# Altium PCB SupBigBrrg_0.PcbDoc (part 26 of 29)
Units mm, origin at the board's own origin, x right, y up, seen from the top; angles counter-clockwise.
Board outline 400 x 344 mm, 6 copper layers (TopLayer, PlaneGnd, PlanePwr, MidLayer3, MidLayer4, BottomLayer); 1288 components, 1323 nets, 5024 pads, 1078 vias.
Unrouted connection lines stored in the file: 1824.
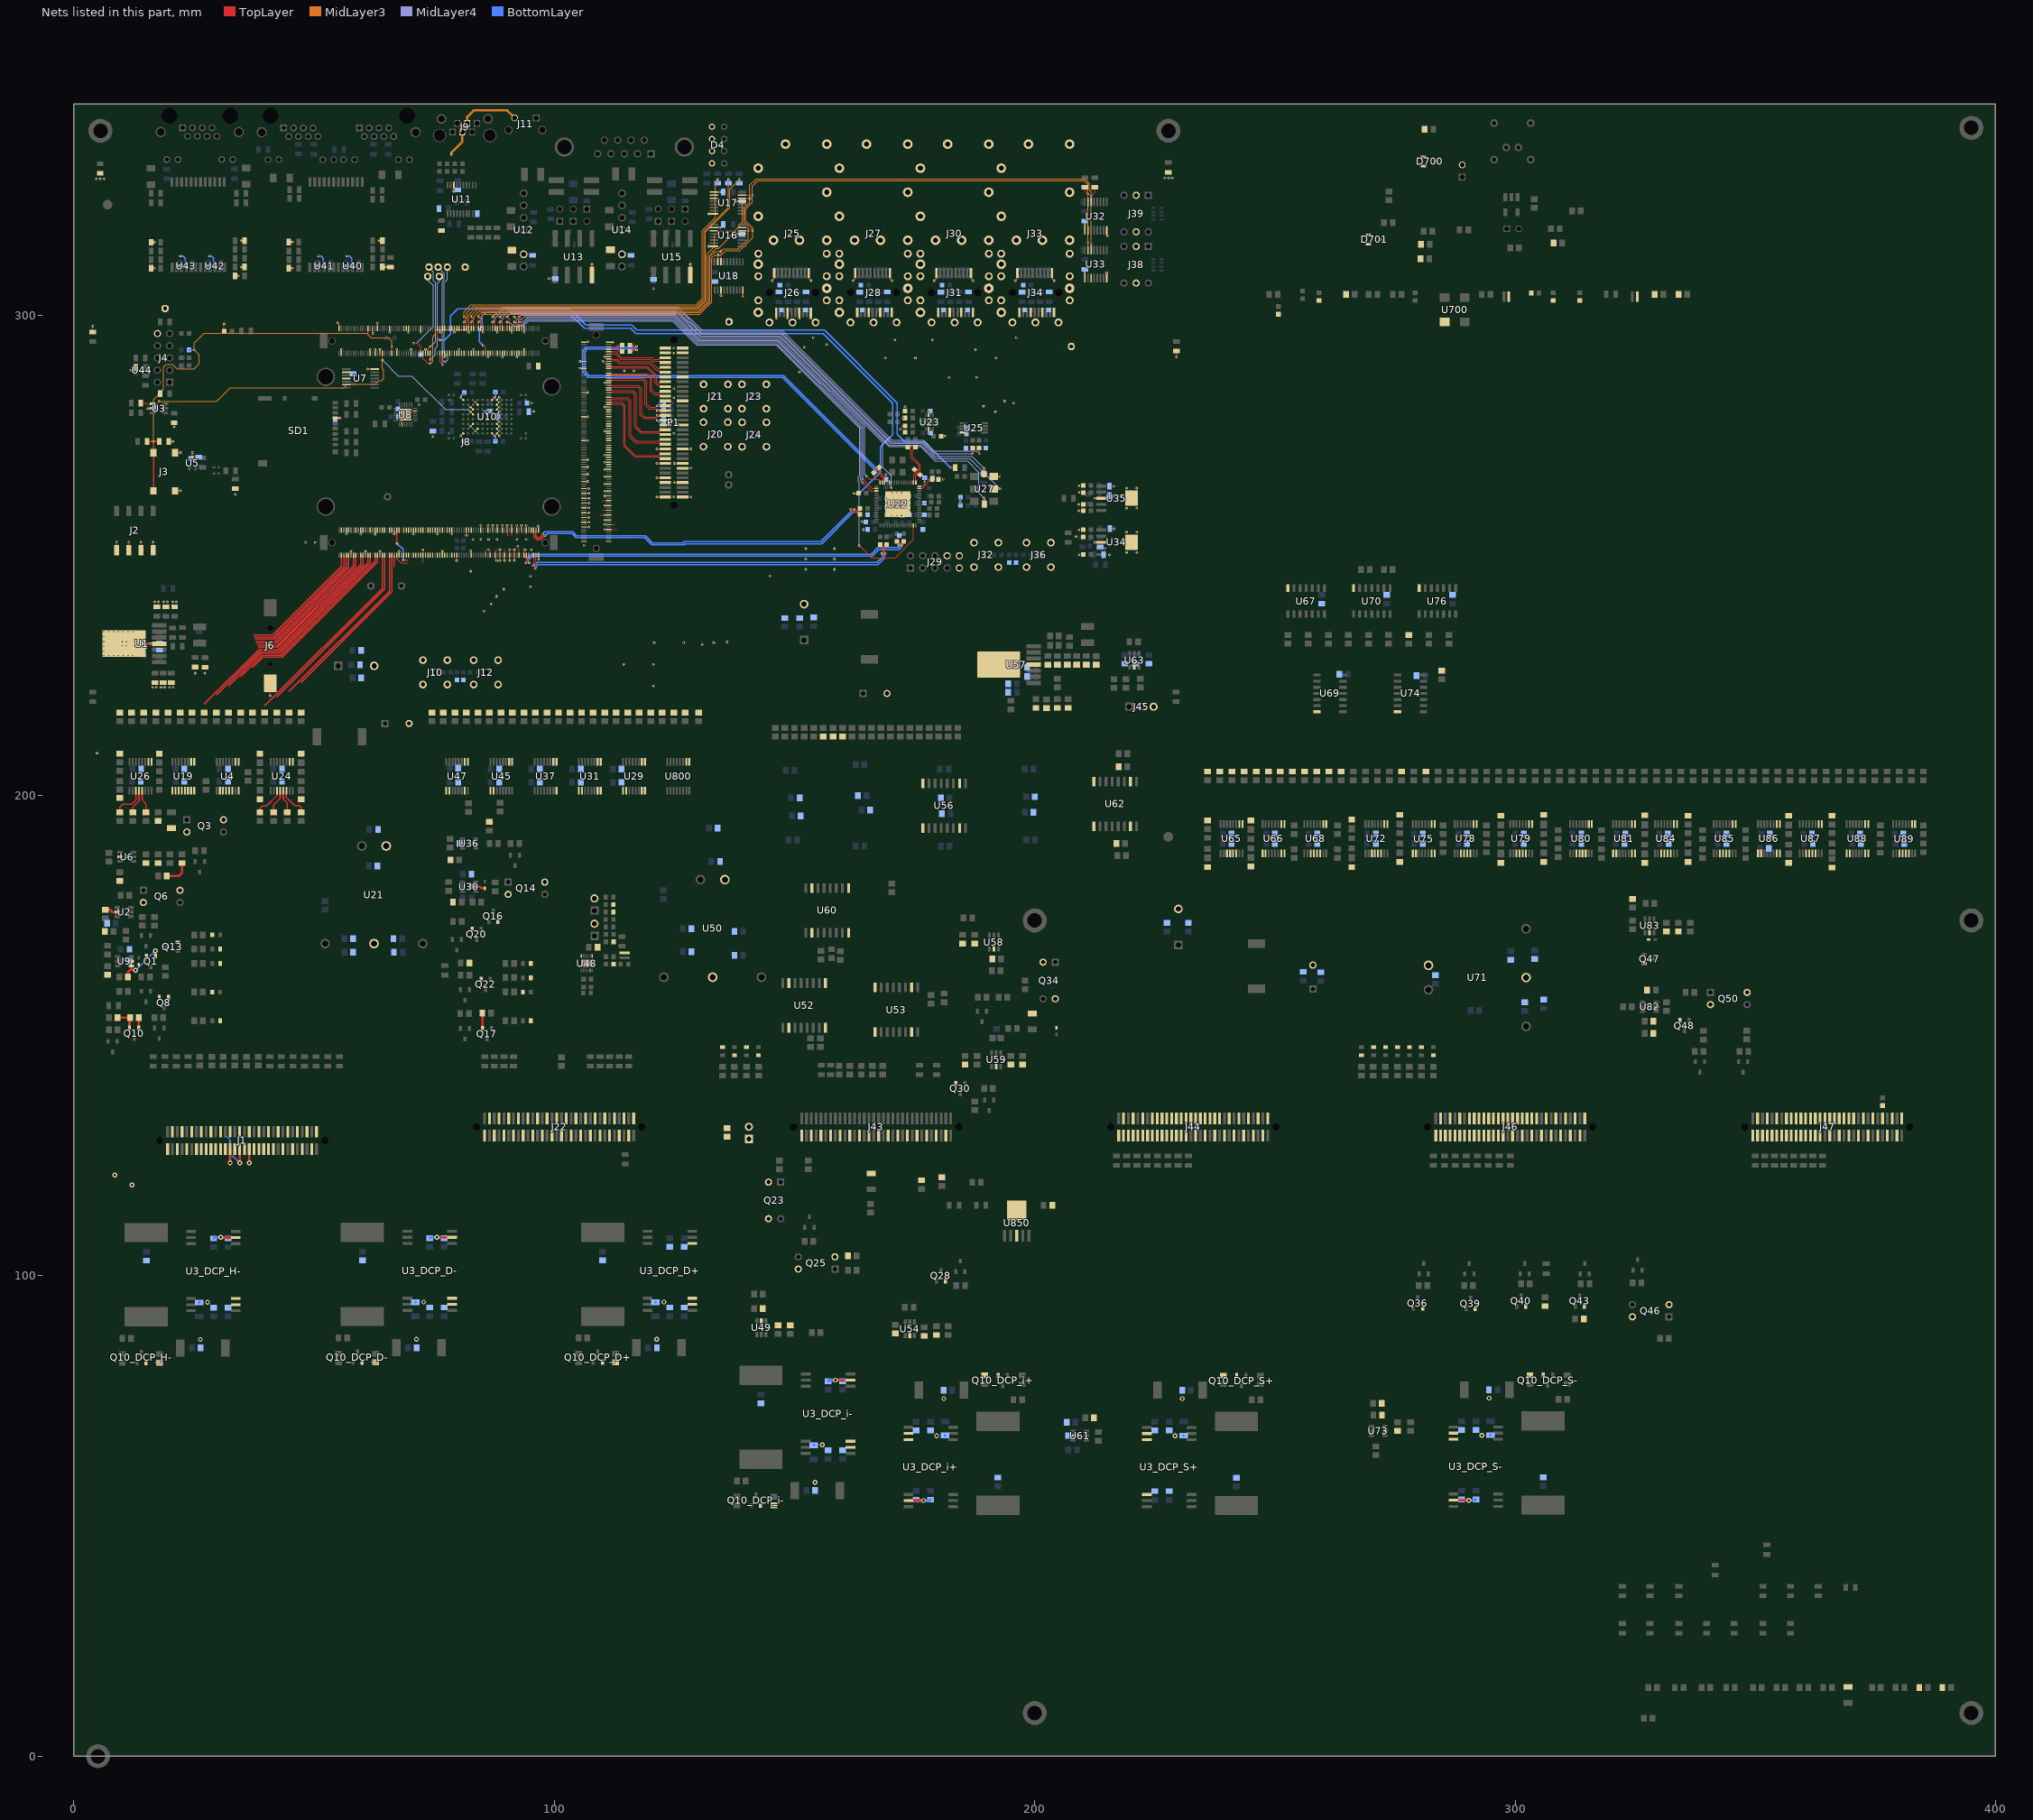
[diagram p30: the nets of this part, all layers, seen from the top]

## Via types
v1: diameter 0.5, hole 0.2, TopLayer to BottomLayer, tented both sides, 972 vias
v2: diameter 1, hole 0.5, TopLayer to BottomLayer, 104 vias
v3: diameter 0.5, hole 0.2, TopLayer to BottomLayer, 2 vias

## Nets (pads, with @x,y where several pads share a name; then routed paths per layer and width w, separated by ;. In a path a pad name is that pad's centre, name@x,y a point inside that pad or via, vN(x,y) a via of type N, cw(c..) or ccw(c..) an arc to the next point about the centre after c; other vN are vias at no path point) (continued)
GND: C1.1 C2.2 C3.1 C5.1 C6.1 C7.2 C7_DCP_D+.1 C7_DCP_D-.1 C7_DCP_H-.1 C7_DCP_i+.1 C7_DCP_i-.1 C7_DCP_S+.1 C7_DCP_S-.1 C8.1 C8_DCP_D+.1 C8_DCP_D-.1 C8_DCP_H-.1 C8_DCP_i+.1 C8_DCP_i-.1 C8_DCP_S+.1 C8_DCP_S-.1 C9.2 C9_DCP_D+.1 C9_DCP_D-.2 C9_DCP_H-.2 C9_DCP_S+.1 C9_DCP_S-.2 C10.2 C10_DCP_D+.1 C10_DCP_D-.1 C10_DCP_H-.1 C10_DCP_i+.1 C10_DCP_i-.1 C10_DCP_S+.1 C10_DCP_S-.1 C11.1 C11_DCP_D+.1 C11_DCP_D-.1 C11_DCP_H-.1 C11_DCP_i+.1 C11_DCP_i-.1 C11_DCP_S+.1 C11_DCP_S-.1 C12.1 C12_DCP_D+.1 C12_DCP_D-.1 C12_DCP_H-.1 C12_DCP_i+.1 C12_DCP_i-.1 C12_DCP_S+.1 C12_DCP_S-.1 C13_DCP_D+.1 C13_DCP_D-.2 C13_DCP_H-.2 C13_DCP_S+.1 C13_DCP_S-.2 C14.2 C15.2 C16.1 C17.1 C18.1 C19.1 C20.1 C21.1@35.51,315.485 C21.2@376.5,135.45 C24.1 C25.1 C26.1 C27.1 C29.1 C31.1 C32.1 C34.1 C54.2 C55.1 C56.2 C57.2 C58.1 C59.2 C60.1 C61.1 C62.1 C63.2 C64.2 C65.1 C66.2 C67.1 C68.2 C69.1 C70.1 C71.1 C72.1 C73.2 C74.1 C75.1 C78.2 C80.2 C81.1 C83.2 C85.1 C86.1 C87.1 C88.2 C89.1 C90.1 C91.2 C92.1 C101.1 C103.2 C104.2 C105.1 C106.2 C107.2 C108.1 C109.1 C110.1 C111.1 C113.1 C114.1 C115.1 C116.1 C117.1 C118.1 C119.1 C120.2 C121.1 C122.2 C123.1 C124.1 C125.1 C126.1 C127.1 C128.1 C129.1 C130.1 C131.1 C132.1 C133.1 C134.1 C135.1 C136.1 C137.1 C138.1 C139.1 C140.1 C141.1 C142.2 C144.1 C145.1 C146.2 C147.2 C149.2 C150.1 C151.1 C152.1 C153.1 C154.2 C155.1 C156.1 C157.1 C158.1 C159.2 C160.1 C161.1 C162.2 C163.2 C164.2 C167.1 C169.1 C172.1 C174.1 C175.1 C176.2 C177.2 C178.2 C179.2 C180.2 C181.2 C182.2 C183.2 C187.1 C189.1 C190.2 C191.1 C192.1 C193.1 C194.1 C195.1 C196.1 C197.2 C198.2 C199.1 C200.2 C201.1 C202.1 C203.1 C204.1 C205.1 C206.1 C207.1 C208.1 C209.1 C210.1 C212.1 C213.1 C214.1 C215.2 C216.1 C217.1 C218.1 C219.2 C220.1 C221.1 C222.1 C223.2 C224.1 C225.2 C226.1 C227.2 C233.1 C234.1 C237.1 C238.1 C239.2 C240.1 C241.1 C242.2 C243.1 C244.1 C245.2 C246.1 C247.1 C248.1 C249.1 C250.2 C251.1 C252.1 C254.1 C255.1 C257.1 C261.1 C264.1 C265.1 C266.1 C267.1 C268.2 C269.1 C270.1 C271.1 C272.1 C273.2 C275.1 C276.1 C277.1 C281.1 C290.1 C296.1 C297.1 C300.1 C303.1 C306.1 C307.1 C308.1 C309.1 C316.1 C317.1 C319.1 C320.1 C321.2 C322.1 C323.1 C324.1 C325.1 C326.1 C327.1 C330.1 C331.1 C332.1 C333.2 C339.1 C340.1 C342.1 C343.1 C344.2 C345.2 C346.1 C347.1 C354.1 C355.1 C356.1 C357.1 C359.1 C700.1 C702.1 C706.2 C707.1 C709.2 C710.1 C711.1 C712.2 C713.1 C714.1 C800.1 C801.1 D3.1 D4.2 D4.4 D4.6 D4.8 D5.2 D6.2 D7.1 D8.1 D9.1 D10.2 D11.2 D12.1 D13.2 D14.1 D15.2 D16.1 D23.2 D24.1 D25.1 D26.1 D27.1 D28.1 D29.2 D30.2 D700.1 D700.2 D701.1 D701.2 D800.2 J1.1 J1.4 J1.5 J1.8 J1.9 J1.12 J1.13 J1.16 J1.17 J1.20 J1.21 J1.24 J1.25 J1.28 J1.29 J1.32 J1.33 J1.36 J1.37 J1.40 J1.41 J1.44 J1.45 J1.48 J1.49 J1.52 J1.53 J1.56 J1.57 J1.60 J1.61 J1.64 J2.1 J2.2 J2.3 J2.4 J3.3 J3.4 J4.10 J6.2 J8.A13 J8.A14 J8.A20 J8.A23 J8.A32 J8.A35 J8.A44 J8.A47 J8.A56 J8.A59 J8.A68 J8.A71 J8.A80 J8.A83 J8.A96 J8.A99 J8.A108 J8.A109 J8.A120 J8.A125 J8.A134 J8.A135 J8.A138 J8.A139 J8.A142 J8.A143 J8.A166 J8.A167 J8.B1 J8.B2 J8.B11 J8.B14 J8.B15 J8.B18 J8.B19 J8.B22 J8.B23 J8.B26 J8.B27 J8.B30 J8.B31 J8.B34 J8.B35 J8.B38 J8.B39 J8.B42 J8.B43 J8.B46 J8.B49 J8.B58 J8.B61 J8.B70 J8.B73 J8.B82 J8.B85 J8.B98 J8.B105 J8.B118 J8.B121 J8.B134 J8.B137 J8.B146 J8.B149 J8.B158 J8.B161 J8.C1 J8.C2 J8.C11 J8.C14 J8.C15 J8.C18 J8.C19 J8.C22 J8.C23 J8.C26 J8.C27 J8.C30 J8.C31 J8.C34 J8.C35 J8.C38 J8.C39 J8.C42 J8.C43 J8.C46 J8.C49 J8.C52 J8.C55 J8.C58 J8.C61 J8.C64 J8.C67 J8.C70 J8.C73 J8.C86 J8.C93 J8.C106 J8.C113 J8.C126 J8.C133 J8.C146 J8.C149 J8.C152 J8.C155 J8.C167 J8.C168 J9.3 J9.4 J10.2 J11.2 J12.2 J20.2 J21.2 J22.1 J22.4 J22.5 J22.8 J22.9 J22.12 J22.13 J22.16 J22.17 J22.20 J22.21 J22.24 J22.25 J22.28 J22.29 J22.32 J22.33 J22.36 J22.37 J22.40 J22.41 J22.44 J22.45 J22.48 J22.49 J22.52 J22.53 J22.56 J22.57 J22.60 J22.61 J22.64 J23.2 J24.2 J25.1 J25.2 J25.3 J25.4 J25.5 J25.6 J25.7 J25.8 J25.9 J25.10 J25.11 J25.12 J25.13 J25.14 J25.15 J25.16 J25.17 J25.18 J25.19 J25.20 J26.1 J26.10 J26.11 J26.14 J26.17 J26.20 J27.1 J27.2 J27.3 J27.4 J27.5 J27.6 J27.7 J27.8 J27.9 J27.10 J27.11 J27.12 J27.13 J27.14 J27.15 J27.16 J27.17 J27.18 J27.19 J27.20 J28.1 J28.10 J28.11 J28.14 J28.17 J28.20 J29.8 J29.9 J29.10 J30.1 J30.2 J30.3 J30.4 J30.5 J30.6 J30.7 J30.8 J30.9 J30.10 J30.11 J30.12 J30.13 J30.14 J30.15 J30.16 J30.17 J30.18 J30.19 J30.20 J31.1 J31.10 J31.11 J31.14 J31.17 J31.20 J32.2 J33.1 J33.2 J33.3 J33.4 J33.5 J33.6 J33.7 J33.8 J33.9 J33.10 J33.11 J33.12 J33.13 J33.14 J33.15 J33.16 J33.17 J33.18 J33.19 J33.20 J34.1 J34.10 J34.11 J34.14 J34.17 J34.20 J36.2 J38.C1 J38.C2 J39.C1 J39.C2 J40.1 J41.2 J42.2 J44.1 J44.4 J44.5 J44.8 J44.9 J44.12 J44.13 J44.16 J44.17 J44.20 J44.21 J44.24 J44.25 J44.28 J44.29 J44.32 J44.33 J44.36 J44.37 J44.40 J44.41 J44.44 J44.45 J44.48 J44.49 J44.52 J44.53 J44.56 J44.57 J44.60 J44.61 J44.64 J45.3 J46.1 J46.4 J46.5 J46.8 J46.9 J46.12 J46.13 J46.16 J46.17 J46.20 J46.21 J46.24 J46.25 J46.28 J46.29 J46.32 J46.33 J46.36 J46.37 J46.40 J46.41 J46.44 J46.45 J46.48 J46.49 J46.52 J46.53 J46.56 J46.57 J46.60 J46.61 J46.64 J47.1 J47.4 J47.5 J47.8 J47.9 J47.12 J47.13 J47.16 J47.17 J47.20 J47.21 J47.24 J47.25 J47.28 J47.29 J47.32 J47.33 J47.36 J47.37 J47.40 J47.41 J47.44 J47.45 J47.48 J47.49 J47.52 J47.53 J47.56 J47.57 J47.60 J47.61 J47.64 J700.2 P1.1 P1.2 P1.7 P1.8 P1.10 P1.13 P1.15 P1.16 P1.21 P1.22 P1.31 P1.32 P1.41 P1.42 P1.51 P1.52 P1.61 P1.62 P1.63 P1.64 Q1.2 Q3.2 Q3.4 Q6.2 Q6.4 Q8.2 Q10.2 Q10_DCP_D+.2 Q10_DCP_D-.2 Q10_DCP_H-.2 Q10_DCP_i+.2 Q10_DCP_i-.2 Q10_DCP_S+.2 Q10_DCP_S-.2 Q13.2 Q14.2 Q14.4 Q16.2 Q17.2 Q20.2 Q22.2 Q23.2 Q36.2 Q39.2 Q40.2 Q43.2 Q46.2 Q46.4 Q47.2 Q48.2 Q50.2 Q50.4 R1.1 R3.2 R14.2 R27_DCP_D+.2 R27_DCP_D-.2 R27_DCP_H-.2 R27_DCP_i+.2 R27_DCP_i-.2 R27_DCP_S+.2 R27_DCP_S-.2 R39.1 R50.1 R55.2 R56.2 R57.1 R58.1 R60.2 R61.2 R79.2 R81.1 R91.1 R99.1 R112.1 R115.1 R118.2 R127.2 R132.1 R160.2 R161.2 R175.1 R176.2 R194.2 R227.1 R261.1 R264.1 R270.1 R273.1 R335.1 R347.1 R349.2 R356.2 R359.2 R379.1 R380.2 R387.1 R395.2 R398.2 R400.1 R410.1 R422.2 R424.1 R431.2 R434.2 R454.2 R456.1 R458.1 R464.1 R467.2 R470.2 R488.2 R490.1 R496.2 R499.2 R512.1 R514.2 R524.1 R526.1 R528.1 R529.1 R530.1 R531.1 R532.1 R533.1 R534.1 R701.1 R704.1 R705.1 R707.1 SD1.6 TP1.1 TP10.1 TP13.1 TP14.1 U1.0 U1.4 U2.5 U3.2 U3_DCP_D+.2 U3_DCP_D+.3 U3_DCP_D+.12 U3_DCP_D-.2 U3_DCP_D-.3 U3_DCP_D-.13 U3_DCP_H-.2 U3_DCP_H-.3 U3_DCP_H-.13 U3_DCP_i+.2 U3_DCP_i+.3 U3_DCP_i-.2 U3_DCP_i-.3 U3_DCP_S+.2 U3_DCP_S+.3 U3_DCP_S+.12 U3_DCP_S-.2 U3_DCP_S-.3 U3_DCP_S-.13 U4.2 U4.8 U4.9 U4.10 U5.2 U6.5 U7.7 U7.9 U7.11 U7.13 U8.2 U8.11 U8.25 U9.2 U10.G2 U10.G3 U10.G4 U10.G5 U10.G6 U10.G7 U10.G8 U10.G9 U10.H2 U10.H9 U10.J5 U10.L3 U10.L8 U10.M4 U10.M7 U10.P2 U10.P9 U11.18 U12.2 U13.4 U14.2 U15.4 U16.2 U16.3 U16.8 U17.1 U17.2 U17.3 U17.8 U18.3 U18.10 U19.1 U19.2 U19.7 U19.8 U19.9 U19.10 U21.2 U21.4 U22.65 U23.7 U23.14 U24.9 U24.10 U25.8 U26.9 U26.10 U27.3 U29.1 U29.2 U29.7 U29.8 U29.9 U29.10 U30.2 U31.1 U31.2 U31.7 U31.8 U31.9 U31.10 U32.1 U32.2 U32.8 U33.1 U33.3 U33.8 U34.0 U34.3 U35.0 U35.3 U36.5 U37.8 U37.9 U37.10 U40.2 U41.2 U42.2 U43.2 U44.2 U45.1 U45.2 U45.9 U45.10 U47.1 U47.2 U47.7 U47.9 U47.10 U48.5 U48.7 U48.12 U48.13 U50.2 U52.9 U52.15 U53.2 U53.8 U56.2 U56.8 U57.0 U57.4 U60.9 U60.15 U61.2 U62.2 U62.8 U63.2 U65.9 U65.10 U66.1 U66.2 U66.7 U66.8 U66.9 U66.10 U67.7 U68.9 U68.10 U69.7 U70.7 U71.2 U71.4 U72.9 U72.10 U73.5 U74.7 U75.1 U75.2 U75.7 U75.8 U75.9 U75.10 U76.7 U78.9 U78.10 U79.9 U79.10 U80.9 U80.10 U81.1 U81.2 U81.7 U81.8 U81.9 U81.10 U82.5 U83.2 U84.9 U84.10 U85.9 U85.10 U86.1 U86.2 U86.7 U86.8 U86.9 U86.10 U87.9 U87.10 U88.1 U88.2 U88.7 U88.8 U88.9 U88.10 U89.9 U89.10 U700.2 U800.9 U800.10 | length 293.9
  TopLayer w0.15: v1(15.39,280.585) U3.2@16.335,280.585 ; U5.2@24.65,270.325 v1(24.65,271.4) ; v1(40.85,220.8) J6.2@40.85,223.33 ; v1(61.16,288.79) U7.7@62.56,288.79 ; v1(80.55,274.875) U10.P9@81.05,275.375 ; v1(80.55,282.875) U10.P2@81.05,282.375 ; v1(82.55,276.875) U10.M7@83.05,277.375 ; v1(82.55,280.875) U10.M4@83.05,280.375 ; v1(83.55,275.875) U10.L8@84.05,276.375 ; v1(83.55,281.875) U10.L3@84.05,281.375 ; v1(85.55,279.875) U10.J5@86.05,279.375 ; U10.H9@87.05,275.375 v1(87.55,274.875) ; U10.H2@87.05,282.375 v1(87.55,282.875) ; U10.G9@88.05,275.375 v1(88.55,274.875) ; U10.G8@88.05,276.375 v1(88.55,275.875) ; U10.G7@88.05,277.375 v1(88.55,276.875) ; U10.G6@88.05,278.375 v1(88.55,277.875) ; U10.G5@88.05,279.375 v1(88.55,279.875) ; U10.G4@88.05,280.375 v1(88.55,280.875) ; U10.G3@88.05,281.375 v1(88.55,281.875) ; U10.G2@88.05,282.375 v1(88.55,282.875) ; v1(105.325,288.9) J8.C146@106.125,288.9 ; v1(105.325,290.4) J8.C152@106.125,290.4 ; J8.C14@106.125,255.9 106.925,255.9 ; J8.C18@106.125,256.9 106.925,256.9 ; J8.C22@106.125,257.9 106.925,257.9 ; J8.C26@106.125,258.9 106.925,258.9 ; J8.C30@106.125,259.9 106.925,259.9 ; J8.C34@106.125,260.9 106.925,260.9 ; J8.C38@106.125,261.9 106.925,261.9 ; J8.C42@106.125,262.9 106.925,262.9 ; J8.C46@106.125,263.9 106.925,263.9 ; J8.C52@106.125,265.4 v1(106.925,265.4) ; J8.C58@106.125,266.9 v1(106.925,266.9) ; J8.C64@106.125,268.4 v1(106.925,268.4) ; J8.C70@106.125,269.9 v1(106.925,269.9) ; J8.C86@106.125,273.9 v1(106.925,273.9) ; J8.C106@106.125,278.9 v1(106.925,278.9) ; J8.C126@106.125,283.9 v1(106.925,283.9) ; J8.C168@106.2,294.368 v1@107,294.368 ; v1(110.15,290.45) 110.7,289.9 J8.C149@111.325,289.9 ; v1(110.525,255.4) J8.C11@111.325,255.4 112.975,255.4 ; v1(110.525,256.4) J8.C15@111.325,256.4 112.65,256.4 ; v1(110.525,257.4) J8.C19@111.325,257.4 ; v1(110.525,258.4) J8.C23@111.325,258.4 ; v1(110.525,260.4) J8.C31@111.325,260.4 ; v1(110.525,262.4) J8.C39@111.325,262.4 ; v1(110.525,263.4) J8.C43@111.325,263.4 ; v1(110.525,264.9) J8.C49@111.325,264.9 ; v1(110.525,266.4) J8.C55@111.325,266.4 ; v1(110.525,269.4) J8.C67@111.325,269.4 ; v1(110.525,270.9) J8.C73@111.325,270.9 ; v1(110.525,275.9) J8.C93@111.325,275.9 ; v1(110.525,280.9) J8.C113@111.325,280.9 ; v1(110.525,285.9) J8.C133@111.325,285.9 ; v1(110.525,291.4) J8.C155@111.325,291.4 ; v1(110.535,267.91) J8.C61@111.335,267.91 ; J8.C167@111.35,294.393 v1(112.15,294.393) ; v1(134.7,304.05) U18.3@134.7,305.225 ; 172.125,276.95 R56.2@173.05,276.95 ; v1(172.6,278.6) R57.1@173.05,278.6 ; v1(177.309,260.921) v1@177.321,260.921 ; v1(177.9,275.45) U23.14@177.9,276.275 ; U23.7@177.9,279.175 v1(177.9,280) ; v1(212.507,252.725) U34.3@213.875,252.725
  TopLayer w0.2: R1.1@3.9,296.5 v1(3.9,297.7) ; J2.1@8.88,251.085 v1(8.88,252.75) ; J2.2@11.42,251.085 v1(11.42,252.75) ; J2.3@13.96,251.085 v1(13.96,252.75) ; J2.4@16.49,251.075 16.5,251.085 v1(16.5,252.75) ; D3.1@31.265,296.71 v1(31.265,298.26) ; J8.A166@55.675,292.05 v1(55.675,292.85) ; v1(56.675,254.45) J8.B161@56.675,255.25 ; J8.B158@57.675,250.05 v1(57.675,250.85) ; v1(59.675,254.45) J8.B149@59.675,255.25 ; J8.B146@60.675,250.05 v1(60.675,250.85) ; J8.A142@61.675,292.05 v1(61.675,292.85) ; v1(62.675,254.4) J8.B137@62.675,255.25 ; J8.A138@62.675,292.05 v1(62.675,292.85) ; J8.B134@63.675,250.05 v1(63.675,250.85) ; J8.A134@63.675,292.05 v1(63.675,292.85) ; v1(65.675,296.45) J8.A125@65.675,297.25 ; v1(66.675,254.45) J8.B121@66.675,255.25 ; J8.A120@67.175,292.05 v1(67.175,292.85) ; J8.B118@67.675,250.05 v1(67.675,250.85) ; U8.2@68.275,277.3 68.275,278.55 U8.25@69.025,279.3 69.775,280.05 U8.11@71.025,280.05 ; v1(69.675,296.45) J8.A109@69.675,297.25 ; J8.A108@70.175,292.05 v1(70.175,292.85) ; v1(70.675,254.45) J8.B105@70.675,255.25 ; v1(72.175,296.45) J8.A99@72.175,297.25 ; 72.675,248.401 J8.B98@72.675,250.05 v1(72.675,251.2) ; J8.A96@73.175,292.05 v1(73.175,292.85) ; v1(75.665,254.45) 75.665,255.24 J8.B85@75.675,255.25 ; v1(76.175,296.45) J8.A83@76.175,297.25 ; J8.B82@76.675,250.05 v1(76.675,250.85) ; v1(77.175,291.25) J8.A80@77.175,292.05 ; v1(78.675,254.45) J8.B73@78.675,255.25 ; v1(79.175,296.45) J8.A71@79.175,297.25 ; v1(79.65,248.9) 79.675,248.925 J8.B70@79.675,250.05 ; J8.A68@80.175,292.05 v1(80.175,292.85) ; J8.B61@81.675,255.25 81.675,254.186 v1(81.72,254.186) ; v1(82.175,296.45) J8.A59@82.175,297.25 ; J8.B58@82.675,250.05 v1@82.675,250.85 ; J8.A56@83.175,292.05 v1(83.175,292.85) ; J8.B49@84.675,255.25 v1(84.675,256.25) ; v1(85.175,296.45) J8.A47@85.175,297.25 ; J8.B46@85.675,250.05 85.675,251.3 ; J8.B43@86.175,255.25 v1(86.175,256.25) ; v1(86.175,291.25) J8.A44@86.175,292.05 ; J8.B42@86.675,250.05 86.675,251.175 ; J8.B39@87.175,255.25 v1(87.175,256.25) ; v1(88,248.925) 87.675,249.25 J8.B38@87.675,250.05 87.675,250.825 88.075,251.225 ; J8.B35@88.175,255.25 v1(88.175,256.25) ; v1(88.175,296.45) J8.A35@88.175,297.25 ; v1@88.675,248.95 J8.B34@88.675,250.05 v1(88.675,251.15) ; J8.B31@89.175,255.25 v1(89.175,256.25) ; v1(89.175,291.25) J8.A32@89.175,292.05 ; v1(89.675,248.95) J8.B30@89.675,250.05 89.675,251.37 ; v1(90.175,256.25) J8.B27@90.175,255.25 90.175,254.375 90.45,254.1 ; v1(90.675,248.95) J8.B26@90.675,250.05 v1(90.675,251.15) ; 91.175,254.075 J8.B23@91.175,255.25 v1(91.175,256.25) ; v1(91.175,296.45) J8.A23@91.175,297.25 ; v1(91.675,248.95) J8.B22@91.675,250.05 v1(91.675,251.15) ; 92.175,254.35 J8.B19@92.175,255.25 v1(92.175,256.25) ; v1(92.175,291.25) J8.A20@92.175,292.05 ; J8.B18@92.675,250.05 92.675,251.448 ; J8.B15@93.175,255.25 v1(93.175,256.25) ; J8.B14@93.675,250.05 93.675,251.448 ; J8.A14@93.675,292.05 v1(93.675,292.85) ; v1(93.675,296.45) J8.A13@93.675,297.25 ; 94.175,254.329 J8.B11@94.175,255.25 v1(94.175,256.25) ; v1(96.675,249.225) J8.B2@96.675,250.05 ; J8.B1@96.675,255.25 v1@96.675,256.1 ; 109.425,258.4 v1(110.525,258.4) ; 109.975,261.4 J8.C35@111.325,261.4 ; 110.05,259.4 J8.C27@111.325,259.4 ; v1(121.35,262.15) P1.2@123.1,262.15 ; v1(121.35,266.15) P1.10@123.1,266.15 ; v1(121.35,269.15) P1.16@123.1,269.15 ; v1(121.35,272.15) P1.22@123.1,272.15 ; v1(124.95,265.15) P1.7@126.7,265.15 ; v1(124.95,269.15) P1.15@126.7,269.15 ; P1.1@126.7,262.15 v1(128.45,262.15) ; P1.13@126.7,268.15 v1(128.45,268.15) ; P1.21@126.7,272.15 v1(128.45,272.15) ; R60.2@180.5,274.825 v1(181.3,274.825) ; U27.3@191.45,266.39 v1(192.71,266.39) ; v1(229.5,291.325) R81.1@229.5,292.525
  TopLayer w0.25: C5.1@16.035,309.785 v1(16.76,309.785) ; C6.1@16.06,315.185 v1(16.785,315.185) ; J3.3@21.035,263.435 v1@22.21,263.435 ; J3.4@21.035,271.385 v1@22.21,271.385 ; C19.1@33.51,308.185 v1(34.235,308.185) ; v1(34.785,310.085) C20.1@35.51,310.085 ; v1(34.785,315.485) C21.1@35.51,315.485 ; C24.1@44.75,309.775 v1(45.475,309.775) ; C25.1@44.75,315.2 v1(45.475,315.2) ; v1@54.925,298.3 55.175,298.05 J8.A167@55.175,297.25 ; 61.175,296.2 J8.A143@61.175,297.25 ; v1@62.175,296.2 J8.A139@62.175,297.25 ; J8.A135@63.175,297.25 v1(63.175,298.3) ; v1(63.475,315.5) C27.1@64.2,315.5 ; C26.1@64.2,310.075 C29.1@65.8,310.075 ; 78.735,325.81 79.085,326.16 U11.18@79.085,327.06 ; v1(132.08,314.325) U16.8@133.255,314.325 ; v1(132.08,321.1) U17.8@133.255,321.1 ; U16.2@133.255,318.225 v1(134.43,318.225) ; U17.1@133.255,325.65 v1(134.43,325.65)
  TopLayer w0.3: U13.4@107.825,308.375 v1(107.825,310.6) ; U15.4@128.3,308.375 v1(128.3,310.6) ; v1(139.25,303.975) U18.10@139.25,305.225 ; v1(145.35,307.2) 145.775,307.625 J26.10@145.775,308.8 ; v1(146.175,299.325) J26.11@146.175,300.6 ; v1(148.575,299.325) J26.14@148.575,300.6 ; v1(150.975,299.325) J26.17@150.975,300.6 ; J26.1@152.975,308.8 152.975,307.625 v1(153.4,307.2) ; v1(153.375,299.325) J26.20@153.375,300.6 ; v1(162.225,307.2) 162.65,307.625 J28.10@162.65,308.8 ; J28.1@169.85,308.8 169.85,307.625 v1(170.275,307.2) ; v1(179.1,307.2) 179.525,307.625 J31.10@179.525,308.8 ; J31.1@186.725,308.8 186.725,307.625 v1(187.15,307.2) ; v1(195.975,307.2) 196.4,307.625 J34.10@196.4,308.8 ; J34.1@203.6,308.8 203.6,307.625 v1(204.025,307.2) ; U33.1@210.45,307.68 v1(210.45,308.85) ; U32.1@210.45,317.705 v1(210.45,318.85) ; v1(212.507,261.883) U35.3@213.875,261.883 ; U33.8@215,307.68 v1(215,308.85) ; v1@215,316.655 U32.8@215,317.825
  TopLayer w0.5: C1.1@6.5,176.25 7.5,176.25 8,175.75 U2.5@9.049,175.75 ; C65.1@9.05,153.75 11.4,153.75 C64.2@11.55,153.6 ; Q10.2@11.55,151.6 C64.2@11.55,153.6 ; C64.2@11.7,153.75 C64.2@11.55,153.6 ; U1.0@14.525,231.61 v1(15.82,231.61) U1.4@17.76,231.61 ; v2(30.55,108) 30.565,107.985 U3_DCP_H-.13@33.7,107.985 ; SD1.6@54.375,278.575 v1(55.325,278.575) ; v2(75.55,108.05) 75.565,108.035 U3_DCP_D-.13@78.7,108.035 ; U30.2@83.654,181 84.5,181 84.8,180.7 D13.2@85.5,180.7 ; C73.2@85,154.7 85.05,154.65 Q17.2@85.05,151.5 ; U3_DCP_S-.13@287.2,53.3 290.335,53.3 v2(290.35,53.285)
  MidLayer3 w0.2: v1(75.665,254.45) v1@75.675,254.45
  MidLayer3 w0.5: v1(78.6,333.5) 78.6,333.875 80.84,336.115 J9.4@80.84,338.153 80.84,338.908 J9.3@81.86,339.928 81.86,341.335 83.175,342.65 90.17,342.65 J11.2@91.735,341.085
  BottomLayer w0.15: v1@11.99,288.56 U44.2@12.835,288.56 ; C118.1@176.85,260.9 176.871,260.921 v1(177.309,260.921) ; C103.2@184.525,260.5 v1(184.525,261.325) C104.2@184.525,262.15
  BottomLayer w0.25: U43.2@22.08,310.285 22.78,310.285 23.165,310.67 23.165,311.87 22.69,312.345 v1(22.165,312.345) ; U42.2@28.02,310.285 28.72,310.285 29.105,310.67 29.105,311.87 28.63,312.345 v1(28.105,312.345) ; U41.2@50.775,310.285 51.475,310.285 51.86,310.67 51.86,311.87 51.385,312.345 v1(50.86,312.345) ; U40.2@56.715,310.285 57.415,310.285 57.8,310.67 57.8,311.87 57.325,312.345 v1(56.8,312.345) ; v1@80.55,274.85 v1(80.55,274.875) ; v1(80.55,282.875) 80.55,283.175 C182.2@81.275,283.9 ; v1(85.55,279.875) 85.75,280.075 C180.2@86.575,280.075 ; v1(87.55,274.875) 87.75,274.675 C178.2@87.75,273.8 ; v1(87.55,282.875) 87.75,283.075 C179.2@87.75,284 ; v1(88.55,277.875) 88.25,278.175 C177.2@88.25,278.9 88.25,279.575 v1(88.55,279.875)
  BottomLayer w0.5: C11_DCP_H-.1@26.05,94.45 C11_DCP_H-.1@26.1,94.5 ; v2(26.3,86.75) v2@26.35,86.7 ; C13_DCP_H-.2@29.05,107.8 29.25,108 v2(30.55,108) 31.85,108 C9_DCP_H-.2@32.05,107.8 ; C11_DCP_D-.1@71.05,94.5 C11_DCP_D-.1@71.1,94.55 ; v2(71.3,86.8) v2@71.35,86.75 ; C13_DCP_D-.2@74.05,107.85 74.25,108.05 v2(75.55,108.05) 76.85,108.05 C9_DCP_D-.2@77.05,107.85 ; C11_DCP_D+.1@121.05,94.5 C11_DCP_D+.1@121.1,94.55 ; v2(121.3,86.8) v2@121.35,86.75 ; C11_DCP_i-.1@154,64.75 C11_DCP_i-.1@154.05,64.8 ; v2(154.25,57.05) v2@154.3,57 ; v2@181.05,74.515 v2(181.1,74.465) ; C11_DCP_i+.1@181.3,66.715 C11_DCP_i+.1@181.35,66.765 ; v2@230.7,74.5 v2(230.75,74.45) ; C11_DCP_S+.1@230.95,66.7 C11_DCP_S+.1@231,66.75 ; C9_DCP_S-.2@288.85,53.485 289.05,53.285 v2(290.35,53.285) 291.65,53.285 C13_DCP_S-.2@291.85,53.485 ; v2@294.55,74.585 v2(294.6,74.535) ; C11_DCP_S-.1@294.8,66.785 C11_DCP_S-.1@294.85,66.835
  other v1: 4.8,208.8 16.41,222.51 17.16,222.51 18.135,222.51 18.885,222.51 19.86,222.51 20.61,222.51 120.676,222.825 25.2,225.48 27.25,225.48 114.426,227.325 120.676,227.325 6.235,229.11 7.235,229.11 8.235,229.11 9.235,229.11 10.235,229.11 11.235,229.11 12.235,229.11 6.235,230.11 6.235,231.11 10.06,231.21 10.86,231.21 130.81,231.46 120.791,231.829 126.926,231.825 133.176,231.825 135.96,231.96 10.06,232.01 10.86,232.01 6.235,232.11 6.235,233.11 6.235,234.11 7.235,234.11 8.235,234.11 9.235,234.11 10.235,234.11 11.235,234.11 12.235,234.11 85.325,238.425 86.825,239.924 16.81,240.31 17.56,240.31 18.685,240.31 19.435,240.31 20.56,240.31 21.31,240.31 87.938,241.438 89.438,242.938 94.975,243.5 94.975,245.625 144.885,245.735 82.625,246.725 152.35,247.1 158.325,247.1 88.675,248.925 152.35,249.25 158.325,249.25 215.575,250.1 209.198,250.15 219.125,250.625 221.225,250.625 82.6,250.95 86.275,251.15 94,251.197 95.175,251.2 152.35,251.4 158.325,251.4 92.35,251.947 106.175,252.125 48.225,252.65 50.225,252.65 83.075,253.35 84.7,253.35 86.325,253.35 88.025,253.35 92.175,253.35 94.175,253.329 208.6,253.875 219.125,254.825 221.225,254.825 209.198,255.325 164.3,255.35 216.55,255.55 107.175,255.9 96.649,256.1 107.175,256.9 164.025,256.975 107.175,257.9 170.175,258.275 171.3,258.275 172.3,258.275 107.175,258.9 209.175,259.3 173.925,259.45 219.125,259.783 221.225,259.783 107.175,259.9 169.125,259.9 171.125,260.275 171.925,260.275 173.925,260.45 209.175,260.6 107.175,260.9 169.125,260.9 171.125,261.075 171.925,261.075 173.925,261.45 107.175,261.9 169.125,261.9 124.901,262.15 216.45,262.408 33.6,262.75 107.175,262.9 170.3,263.075 171.3,263.075 172.3,263.075 209.2,263.075 22.235,263.46 107.175,263.9 219.125,263.983 221.225,263.983 216.45,264.408 209.2,264.525 180.975,265.825 169.025,266.8 22.235,271.41 20.585,273.735 74.75,274.775 124.875,275.4 186.575,275.975 172.05,276.25 20.85,276.775 68.15,278.425 69.9,278.425 68.125,279.3 69.925,279.3 191.8,279.925 95.725,279.95 68.15,280.175 69.9,280.175 173,280.95 189.35,281.025 71.801,281.3 95.3,281.7 195.6,281.7 193.7,282.125 124.85,282.85 124.85,284.7 182.176,287.075 187.926,287.075 151.026,288.175 114.6,288.4 116.575,288.4 11.815,288.56 168.926,291.075 175.176,291.075 191.926,291.075 124.9,292.15 187.676,292.825 124.9,293.15 152.001,293.375 156.726,293.925 107.05,294.443 170.926,294.825 178.676,294.825 153.926,295.325 196.176,295.325 62.225,296.2 54.925,298.4 120.65,305.575 98.9,307.625 64.925,310.075 215.15,316.555 79.085,325.76 4.675,328.35 5.45,328.35 6.225,328.35 227.075,328.575 227.85,328.575 228.625,328.575